# EAGLE board makey_makey_panel_v13 (EAGLE 6.5.0), part 3 of 4 (continued)
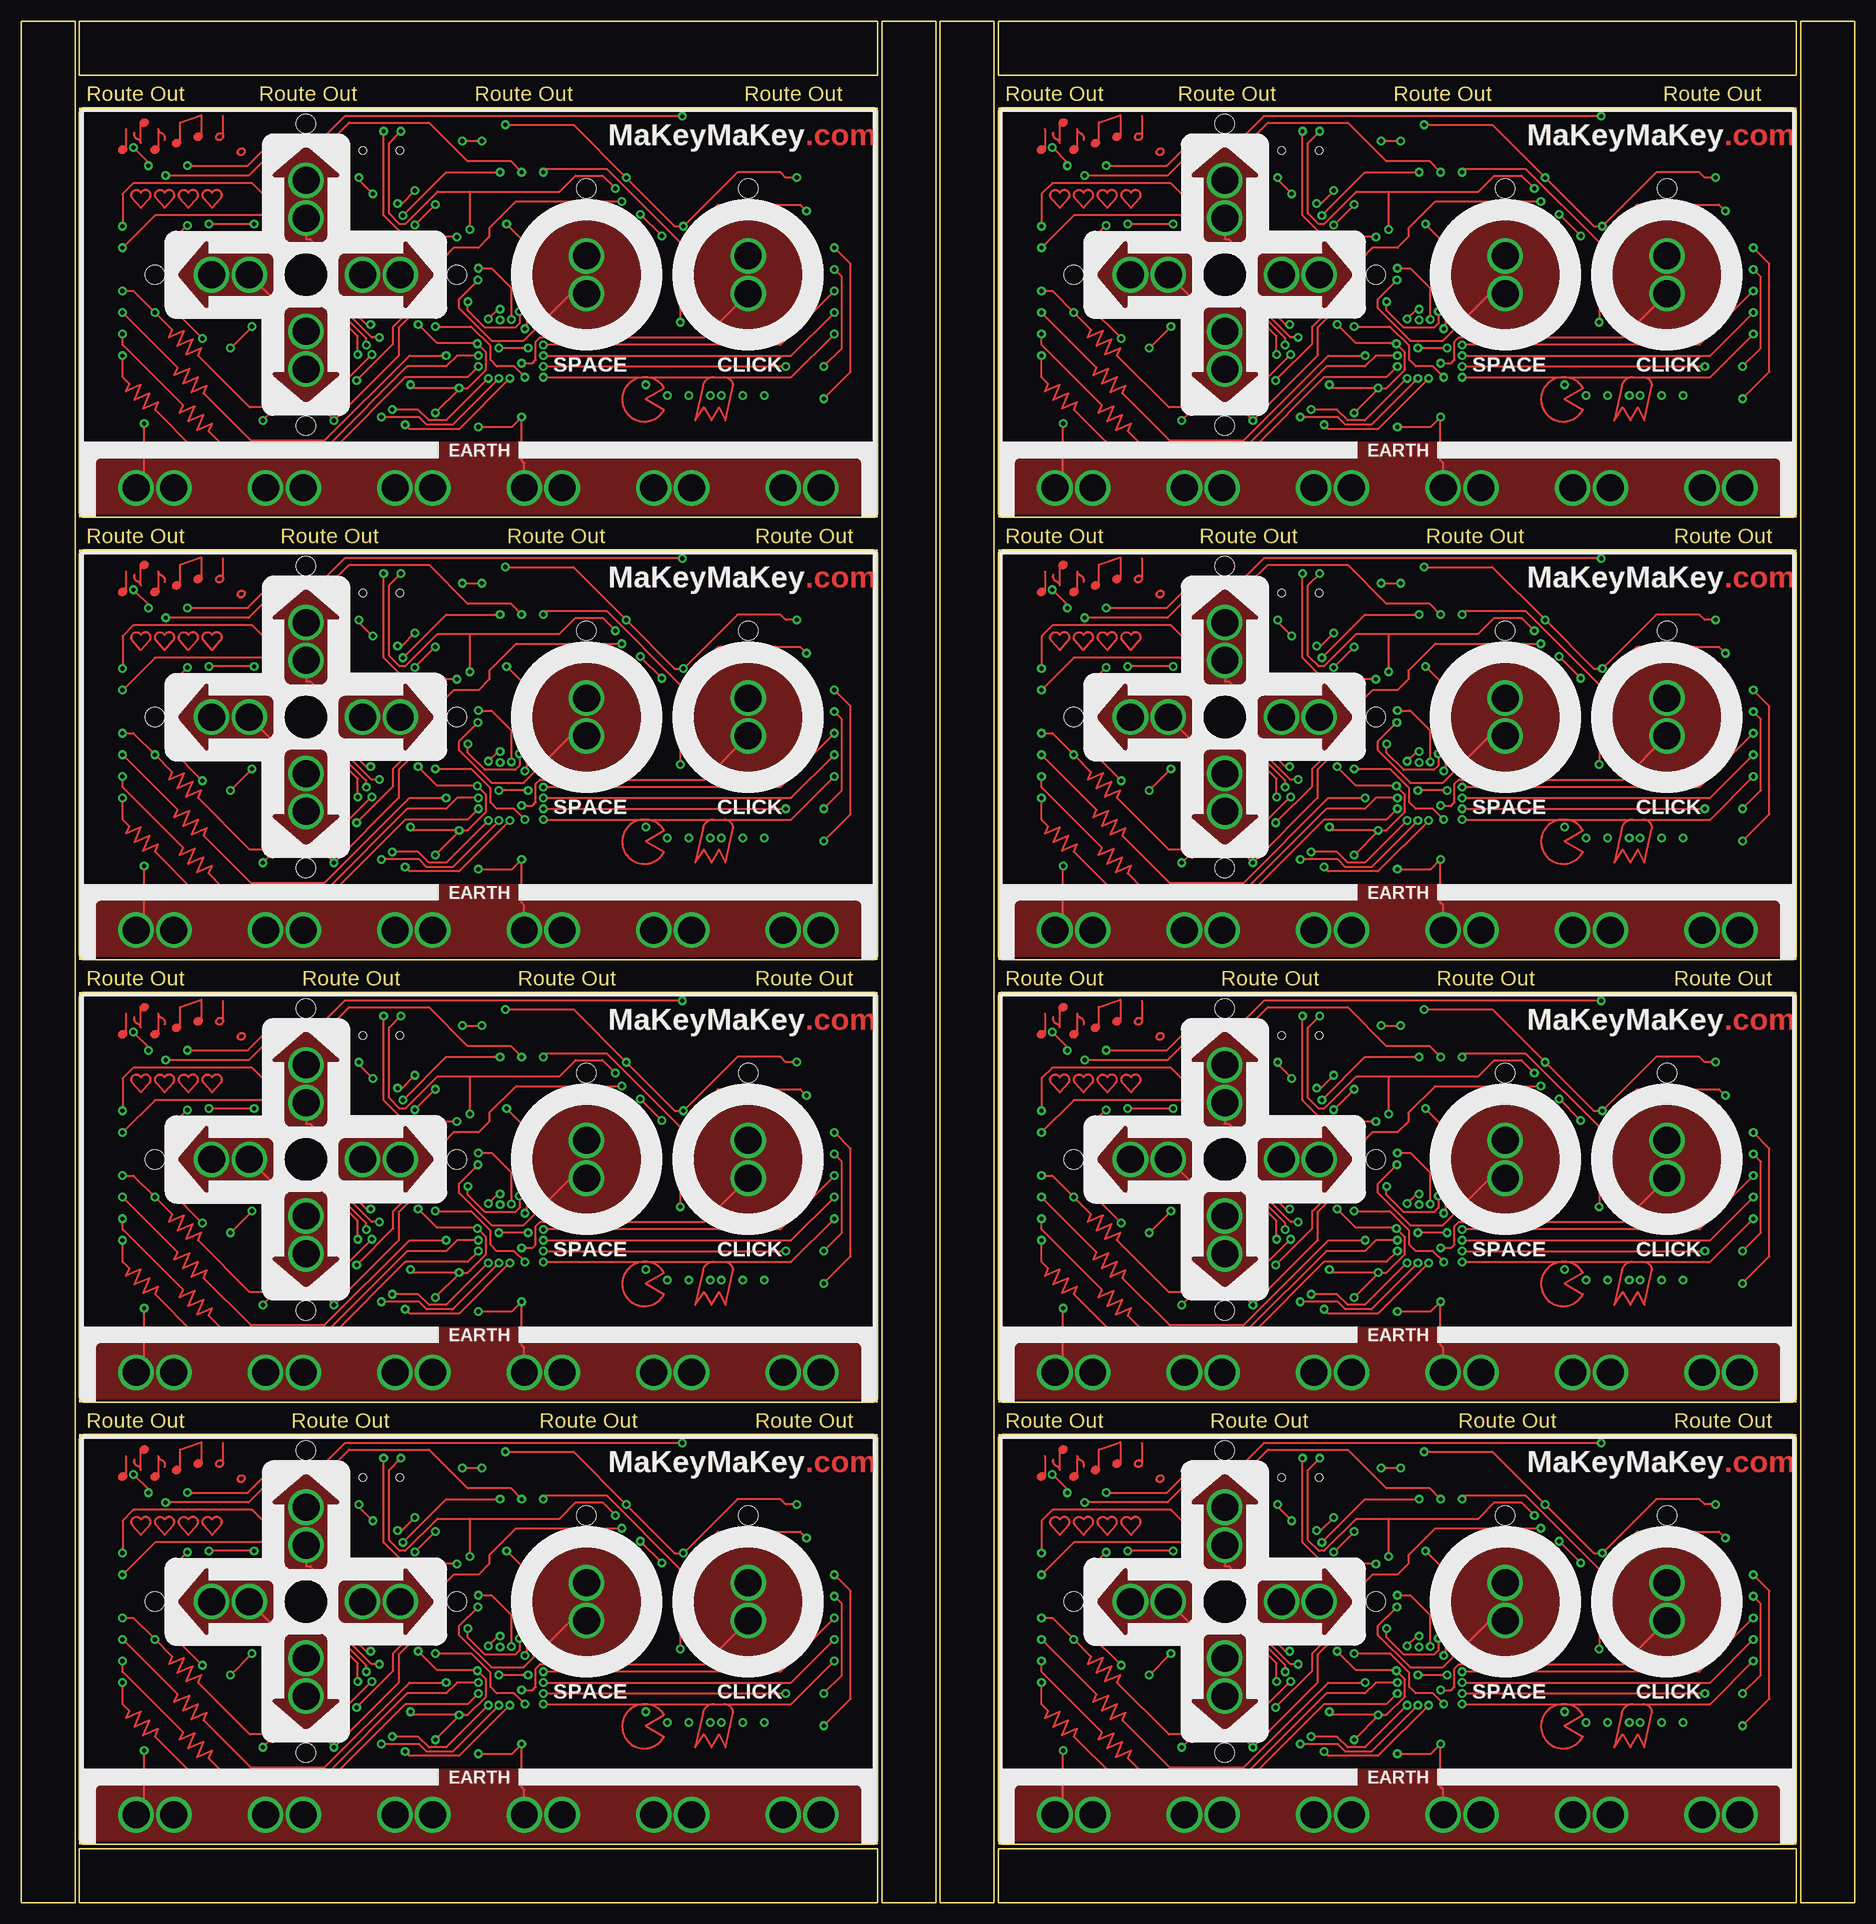
[diagram p0: board, top side]
## Tracks (layer width: path | path; a pad name or v marks a point on that pad's centre or on a via) (continued)
N$27
  Bottom 0.254: X2.D- 41.62,98.34 42.8,97.16 44.45,97.16 47.75,93.85 53.85,93.85 55.12,92.58 R32.2
N$28
  Bottom 0.254: X2.D+ 42.42,98.3 43.05,97.66 44.7,97.66 48.01,94.36 54.86,94.36 56.39,92.84 R31.2
N$29
  pour Top: 52.1,14.85 52.1,14.91 52.41,15.23 52.73,14.91 52.73,14.85
N$30
  pour Top: 53.5,14.77 53.5,15.27 53.99,15.27 54.14,15.12 54.14,14.78 53.99,14.63 53.5,14.63 53.5,14.77 53.5,14.77
N$31  (via drill 0.51)
  Top 0.254: v39.5,75.06 43.81,79.38 43.81,81.41 49.15,86.74 49.15,91.95 | v51.31,91.95 49.15,91.95 | v42.67,104.39 42.67,94.49 45.21,91.95 49.15,91.95
  Bottom 0.254: 31.73,71.88 36.7,71.88 36.96,71.63 R53.2 38.39,73.95 v39.5,75.06 | LED17.A 16.87,89.3 31.73,74.44 31.73,71.88 | v51.31,91.95 LED15.C | v42.67,104.39 41.78,103.5 35.94,103.5 35.33,104.12 LED16.A | LED18.C 31.73,71.88
N$32
  Top 0.254: 13.08,44.45 arc-190 14.1,45.09 arc-190 15.11,44.45 14.1,43.31 13.08,44.45
N$33
  Top 0.254: 15.88,44.45 arc-190 16.89,45.09 arc-190 17.91,44.45 16.89,43.31 15.88,44.45
N$34
  Top 0.254: 18.67,44.45 arc-190 19.68,45.09 arc-190 20.7,44.45 19.68,43.31 18.67,44.45
N$35
  Top 0.254: 21.46,44.45 arc-190 22.48,45.09 arc-190 23.5,44.45 22.48,43.31 21.46,44.45
N$36  (via drill 0.51)
  Top 0.254: v28.45,70.36 29.34,71.25 35.94,71.25 v36.83,70.36 44.45,77.98 44.45,81.28 49.66,86.49 49.66,89.41 50.93,90.68 53.85,90.68 55.12,91.95 55.12,92.96 58.29,96.14 v70.74,96.14
  Bottom 0.254: LED17.C 19.58,85.7 28.45,76.83 v28.45,70.36 | LED18.A 36.2,69.72 v36.83,70.36 R52.2 | LED13.A 87.4,96.67 86.87,96.14 v70.74,96.14 65.28,96.14 64.75,96.67 LED14.C
N$37
  Top 0.254: 14.1,53.09 14.1,50.93 arc70 13.59,51.44 arc-70 13.34,52.2 | 14.1,53.09 14.1,53.21 | 14.35,53.21 arc-160 14.61,53.47 | 14.61,53.47 arc-160 14.35,53.21 | 14.61,53.47 arc160 14.48,53.34 arc160 14.61,53.47 | 14.1,53.09 arc-160 14.86,53.59 arc-160 14.1,53.09 | 14.22,53.09 arc-160 14.73,53.59 arc-160 14.22,53.09 | 14.1,53.34 14.1,53.21 | 14.1,53.21 14.22,53.09 | 14.22,53.09 14.1,53.09 | 14.22,53.09 14.35,53.21
N$38  (via drill 0.51)
  Top 0.254: 52.83,97.28 49.02,97.28 45.21,93.47 44.58,93.47 43.31,94.74 43.31,103 v44.7,104.39 | 52.83,97.28 63.37,97.28 65.28,99.19 68.45,99.19 v69.98,97.66 | v52.83,92.84 52.83,97.28
  Bottom 0.254: v52.83,92.84 52.83,91.57 | 52.83,91.57 52.83,86.36 52.17,85.7 LED15.A | v44.7,104.39 43.31,103 32.64,103 31.73,103.91 LED16.C | LED14.A v69.98,97.66 LED13.C | R54.2 52.87,91.53 52.83,91.57
N$39
  Bottom 0.254: X2.VBUS 40.82,97.97 40.26,97.41 37.72,97.41 37.34,97.03 F2.1
N$40
  Bottom 0.254: LED12.C 41.16,95.6 R39.2
N$41
  Bottom 0.254: LED22.A R57.1
  pour Top: 52.1,66.92 52.1,66.98 52.41,67.3 52.73,66.98 52.73,66.92
N$42
  Top 0.254: 12.32,52.58 12.32,50.42 | 12.32,50.42 12.32,50.16 11.94,50.16 | 12.32,50.42 arc-160 11.56,49.91 arc-160 12.32,50.42 | 11.81,50.04 arc160 12.06,50.29 arc160 11.81,50.04 | 11.94,50.16 arc-160 11.81,50.04 | 11.81,50.04 arc-160 11.94,50.16 | 12.19,50.42 arc-160 11.68,49.91 arc-160 12.19,50.42 | 12.32,50.42 12.19,50.42 | 12.19,50.42 11.94,50.16
N$43
  Top 0.254: 18.67,51.18 18.67,53.34 21.21,54.23 21.21,51.94 | 18.67,51.18 18.67,50.93 18.54,50.93 18.41,51.05 | 21.21,51.94 21.21,51.69 20.83,51.69 | 18.54,51.18 arc-160 18.03,50.67 | 18.03,50.67 arc-160 18.54,51.18 | 18.16,50.8 arc160 18.29,50.93 arc160 18.16,50.8 | 18.41,51.05 arc-160 18.16,50.8 | 18.16,50.8 arc-160 18.41,51.05 | 21.08,51.94 arc-160 20.57,51.44 arc-160 21.08,51.94 | 20.7,51.56 arc160 20.95,51.82 arc160 20.7,51.56 | 20.83,51.69 arc-160 20.7,51.56 | 20.7,51.56 arc-160 20.83,51.69 | 18.67,51.18 arc-160 17.91,50.67 arc-160 18.67,51.18 | 21.21,51.94 arc-160 20.45,51.44 arc-160 21.21,51.94 | 18.03,50.67 18.41,51.05 | 18.67,51.18 18.54,51.18 | 18.54,51.18 18.41,51.05 | 20.83,51.69 20.7,51.56 | 21.21,51.94 21.08,51.94 | 21.08,51.94 20.83,51.69
N$44
  Bottom 0.254: R58.1 LED21.A
  pour Top: 53.5,66.84 53.5,67.34 53.99,67.34 54.14,67.19 54.14,66.85 53.99,66.7 53.5,66.7 53.5,66.84 53.5,66.84
N$45  (via drill 0.51)
  other vias: 73.53,74.55
N$46  (via drill 0.51)
  other vias: 76.07,73.28
N$47  (via drill 0.51)
  other vias: 78.61,73.28
N$48  (via drill 0.51)
  other vias: 81.15,73.28
N$49  (via drill 0.51)
  other vias: 82.42,73.28
N$50  (via drill 0.51)
  other vias: 84.96,73.28
N$51  (via drill 0.51)
  other vias: 87.5,73.28
N$52
  Top 0.254: 26.29,102.23 arc-160 25.53,101.73 arc-160 26.29,102.23
N$53
  Top 0.254: 14.1,105.16 14.1,103 arc70 13.59,103.5 arc-70 13.34,104.27 | 14.1,105.16 14.1,105.28 | 14.35,105.28 arc-160 14.61,105.54 | 14.61,105.54 arc-160 14.35,105.28 | 14.61,105.54 arc160 14.48,105.41 arc160 14.61,105.54 | 14.1,105.16 arc-160 14.86,105.66 arc-160 14.1,105.16 | 14.22,105.16 arc-160 14.73,105.66 arc-160 14.22,105.16 | 14.1,105.41 14.1,105.28 | 14.1,105.28 14.22,105.16 | 14.22,105.16 14.1,105.16 | 14.22,105.16 14.35,105.28
N$54
  Top 0.254: 16.13,50.42 16.13,52.58 arc70 16.64,52.07 arc-70 16.89,51.31 | 16.13,50.42 16.13,50.16 15.75,50.16 | 16,50.42 arc-160 15.49,49.91 arc-160 16,50.42 | 15.62,50.04 arc160 15.88,50.29 arc160 15.62,50.04 | 15.75,50.16 arc-160 15.62,50.04 | 15.62,50.04 arc-160 15.75,50.16 | 16.13,50.42 arc-160 15.37,49.91 arc-160 16.13,50.42 | 16.13,50.42 16,50.42 | 16,50.42 15.75,50.16
N$55
  Top 0.254: 18.67,103.25 18.67,105.41 21.21,106.3 21.21,104.01 | 18.67,103.25 18.67,103 18.54,103 18.41,103.12 | 21.21,104.01 21.21,103.76 20.83,103.76 | 18.54,103.25 arc-160 18.03,102.74 | 18.03,102.74 arc-160 18.54,103.25 | 18.16,102.87 arc160 18.29,103 arc160 18.16,102.87 | 18.41,103.12 arc-160 18.16,102.87 | 18.16,102.87 arc-160 18.41,103.12 | 21.08,104.01 arc-160 20.57,103.5 arc-160 21.08,104.01 | 20.7,103.63 arc160 20.95,103.89 arc160 20.7,103.63 | 20.83,103.76 arc-160 20.7,103.63 | 20.7,103.63 arc-160 20.83,103.76 | 18.67,103.25 arc-160 17.91,102.74 arc-160 18.67,103.25 | 21.21,104.01 arc-160 20.45,103.5 arc-160 21.21,104.01 | 18.03,102.74 18.41,103.12 | 18.67,103.25 18.54,103.25 | 18.54,103.25 18.41,103.12 | 20.83,103.76 20.7,103.63 | 21.21,104.01 21.08,104.01 | 21.08,104.01 20.83,103.76
N$56
  Top 0.254: 16.13,102.49 16.13,104.65 arc70 16.64,104.14 arc-70 16.89,103.38 | 16.13,102.49 16.13,102.23 15.75,102.23 | 16,102.49 arc-160 15.49,101.98 arc-160 16,102.49 | 15.62,102.11 arc160 15.88,102.36 arc160 15.62,102.11 | 15.75,102.23 arc-160 15.62,102.11 | 15.62,102.11 arc-160 15.75,102.23 | 16.13,102.49 arc-160 15.37,101.98 arc-160 16.13,102.49 | 16.13,102.49 16,102.49 | 16,102.49 15.75,102.23
N$57
  Top 0.254: 12.32,104.65 12.32,102.49 | 12.32,102.49 12.32,102.23 11.94,102.23 | 12.32,102.49 arc-160 11.56,101.98 arc-160 12.32,102.49 | 11.81,102.11 arc160 12.06,102.36 arc160 11.81,102.11 | 11.94,102.23 arc-160 11.81,102.11 | 11.81,102.11 arc-160 11.94,102.23 | 12.19,102.49 arc-160 11.68,101.98 arc-160 12.19,102.49 | 12.32,102.49 12.19,102.49 | 12.19,102.49 11.94,102.23
N$58
  Bottom 0.254: LED20.A 94.88,96.51 94.49,96.9 R55.1
N$59
  Bottom 0.254: R56.1 12.36,97.45 11.42,96.51 LED19.A
N$60
  Top 0.254: 23.75,106.17 23.75,104.01 | 23.75,104.01 arc-160 22.99,103.5 arc-160 23.75,104.01
N$61
  pour Top: 52.1,66.92 52.1,66.98 52.41,67.3 52.73,66.98 52.73,66.92
N$62
  pour Top: 53.5,66.84 53.5,67.34 53.99,67.34 54.14,67.19 54.14,66.85 53.99,66.7 53.5,66.7 53.5,66.84 53.5,66.84
N$63
  Top 0.254: 13.08,96.52 arc-190 14.1,97.16 arc-190 15.11,96.52 14.1,95.38 13.08,96.52
N$64
  Top 0.254: 15.88,96.52 arc-190 16.89,97.16 arc-190 17.91,96.52 16.89,95.38 15.88,96.52
N$65
  Top 0.254: 18.67,96.52 arc-190 19.68,97.16 arc-190 20.7,96.52 19.68,95.38 18.67,96.52
N$66
  Top 0.254: 21.46,96.52 arc-190 22.48,97.16 arc-190 23.5,96.52 22.48,95.38 21.46,96.52
N$67
  Bottom 0.254: U3.16 65.75,132.12 66.29,131.57 68.96,131.57 | 68.96,131.57 69.85,131.57 70.36,132.08 C19.1 | Y3.1 69.01,133.21 69.01,131.62 68.96,131.57
N$68
  Bottom 0.254: U3.17 65.79,131.32 66.67,130.44 Y3.3 66.67,128.28 67.02,127.93 C18.1
N$69
  Bottom 0.254: U3.6 C20.2
N$70
  Bottom 0.254: X3.D- 41.62,150.41 42.8,149.22 44.45,149.22 47.75,145.92 53.85,145.92 55.12,144.65 R61.2
N$71
  Bottom 0.254: X3.D+ 42.42,150.37 43.05,149.73 44.7,149.73 48.01,146.43 54.86,146.43 56.39,144.91 R60.2
N$72  (via drill 0.51)
  Top 0.254: v39.5,127.13 43.81,131.44 43.81,133.48 49.15,138.81 49.15,144.02 | v51.31,144.02 49.15,144.02 | v42.67,156.46 42.67,146.56 45.21,144.02 49.15,144.02
  Bottom 0.254: 31.73,123.95 36.7,123.95 36.96,123.7 R82.2 38.39,126.02 v39.5,127.13 | LED28.A 16.87,141.37 31.73,126.51 31.73,123.95 | v51.31,144.02 LED26.C | v42.67,156.46 41.78,155.57 35.94,155.57 35.33,156.19 LED27.A | LED29.C 31.73,123.95
N$73  (via drill 0.51)
  Top 0.254: v28.45,122.43 29.34,123.32 35.94,123.32 v36.83,122.43 44.45,130.05 44.45,133.35 49.66,138.56 49.66,141.48 50.93,142.75 53.85,142.75 55.12,144.02 55.12,145.03 58.29,148.21 v70.74,148.21
  Bottom 0.254: LED28.C 19.58,137.77 28.45,128.91 v28.45,122.43 | LED29.A 36.2,121.79 v36.83,122.43 R81.2 | LED24.A 87.4,148.74 86.87,148.21 v70.74,148.21 65.28,148.21 64.75,148.74 LED25.C
N$74  (via drill 0.51)
  Top 0.254: 52.83,149.35 49.02,149.35 45.21,145.54 44.58,145.54 43.31,146.81 43.31,155.07 v44.7,156.46 | 52.83,149.35 63.37,149.35 65.28,151.26 68.45,151.26 v69.98,149.73 | v52.83,144.91 52.83,149.35
  Bottom 0.254: v52.83,144.91 52.83,143.64 | 52.83,143.64 52.83,138.43 52.17,137.77 LED26.A | v44.7,156.46 43.31,155.07 32.64,155.07 31.73,155.98 LED27.C | LED25.A v69.98,149.73 LED24.C | R83.2 52.87,143.6 52.83,143.64
N$75
  Bottom 0.254: X3.VBUS 40.82,150.04 40.26,149.48 37.72,149.48 37.34,149.1 F3.1
N$76
  Bottom 0.254: LED23.C 41.16,147.67 R68.2
N$77
  Bottom 0.254: LED33.A R86.1
  pour Top: 52.1,118.99 52.1,119.05 52.41,119.37 52.73,119.05 52.73,118.99
N$78
  Bottom 0.254: R87.1 LED32.A
  pour Top: 53.5,118.91 53.5,119.41 53.99,119.41 54.14,119.26 54.14,118.92 53.99,118.77 53.5,118.77 53.5,118.91 53.5,118.91
N$79  (via drill 0.51)
  other vias: 73.53,126.62
N$80  (via drill 0.51)
  other vias: 76.07,125.35
N$81  (via drill 0.51)
  other vias: 78.61,125.35
N$82  (via drill 0.51)
  other vias: 81.15,125.35
N$83  (via drill 0.51)
  other vias: 82.42,125.35
N$84  (via drill 0.51)
  other vias: 84.96,125.35
N$85  (via drill 0.51)
  other vias: 87.5,125.35
N$86
  Top 0.254: 26.29,154.31 arc-160 25.53,153.8 arc-160 26.29,154.31
N$87
  Top 0.254: 14.1,157.23 14.1,155.07 arc70 13.59,155.57 arc-70 13.34,156.34 | 14.1,157.23 14.1,157.35 | 14.35,157.35 arc-160 14.61,157.61 | 14.61,157.61 arc-160 14.35,157.35 | 14.61,157.61 arc160 14.48,157.48 arc160 14.61,157.61 | 14.1,157.23 arc-160 14.86,157.73 arc-160 14.1,157.23 | 14.22,157.23 arc-160 14.73,157.73 arc-160 14.22,157.23 | 14.1,157.48 14.1,157.35 | 14.1,157.35 14.22,157.23 | 14.22,157.23 14.1,157.23 | 14.22,157.23 14.35,157.35
N$88
  Top 0.254: 18.67,155.32 18.67,157.48 21.21,158.37 21.21,156.08 | 18.67,155.32 18.67,155.07 18.54,155.07 18.41,155.19 | 21.21,156.08 21.21,155.83 20.83,155.83 | 18.54,155.32 arc-160 18.03,154.81 | 18.03,154.81 arc-160 18.54,155.32 | 18.16,154.94 arc160 18.29,155.07 arc160 18.16,154.94 | 18.41,155.19 arc-160 18.16,154.94 | 18.16,154.94 arc-160 18.41,155.19 | 21.08,156.08 arc-160 20.57,155.57 arc-160 21.08,156.08 | 20.7,155.7 arc160 20.95,155.96 arc160 20.7,155.7 | 20.83,155.83 arc-160 20.7,155.7 | 20.7,155.7 arc-160 20.83,155.83 | 18.67,155.32 arc-160 17.91,154.81 arc-160 18.67,155.32 | 21.21,156.08 arc-160 20.45,155.57 arc-160 21.21,156.08 | 18.03,154.81 18.41,155.19 | 18.67,155.32 18.54,155.32 | 18.54,155.32 18.41,155.19 | 20.83,155.83 20.7,155.7 | 21.21,156.08 21.08,156.08 | 21.08,156.08 20.83,155.83
N$89
  Top 0.254: 16.13,154.56 16.13,156.72 arc70 16.64,156.21 arc-70 16.89,155.45 | 16.13,154.56 16.13,154.31 15.75,154.31 | 16,154.56 arc-160 15.49,154.05 arc-160 16,154.56 | 15.62,154.18 arc160 15.88,154.43 arc160 15.62,154.18 | 15.75,154.31 arc-160 15.62,154.18 | 15.62,154.18 arc-160 15.75,154.31 | 16.13,154.56 arc-160 15.37,154.05 arc-160 16.13,154.56 | 16.13,154.56 16,154.56 | 16,154.56 15.75,154.31
N$90
  Top 0.254: 12.32,156.72 12.32,154.56 | 12.32,154.56 12.32,154.31 11.94,154.31 | 12.32,154.56 arc-160 11.56,154.05 arc-160 12.32,154.56 | 11.81,154.18 arc160 12.06,154.43 arc160 11.81,154.18 | 11.94,154.31 arc-160 11.81,154.18 | 11.81,154.18 arc-160 11.94,154.31 | 12.19,154.56 arc-160 11.68,154.05 arc-160 12.19,154.56 | 12.32,154.56 12.19,154.56 | 12.19,154.56 11.94,154.31
N$91
  Bottom 0.254: LED31.A 94.88,148.58 94.49,148.97 R84.1
N$92
  Bottom 0.254: R85.1 12.36,149.52 11.42,148.58 LED30.A
N$93
  Top 0.254: 23.75,158.24 23.75,156.08 | 23.75,156.08 arc-160 22.99,155.57 arc-160 23.75,156.08
N$94
  pour Top: 52.1,118.99 52.1,119.05 52.41,119.37 52.73,119.05 52.73,118.99
N$95
  pour Top: 53.5,118.91 53.5,119.41 53.99,119.41 54.14,119.26 54.14,118.92 53.99,118.77 53.5,118.77 53.5,118.91 53.5,118.91
N$96
  Top 0.254: 13.08,148.59 arc-190 14.1,149.22 arc-190 15.11,148.59 14.1,147.45 13.08,148.59
N$97
  Top 0.254: 15.88,148.59 arc-190 16.89,149.22 arc-190 17.91,148.59 16.89,147.45 15.88,148.59
N$98
  Top 0.254: 18.67,148.59 arc-190 19.68,149.22 arc-190 20.7,148.59 19.68,147.45 18.67,148.59
N$99
  Top 0.254: 21.46,148.59 arc-190 22.48,149.22 arc-190 23.5,148.59 22.48,147.45 21.46,148.59
N$100
  Bottom 0.254: U4.16 65.75,184.19 66.29,183.64 68.96,183.64 | 68.96,183.64 69.85,183.64 70.36,184.15 C27.1 | Y4.1 69.01,185.28 69.01,183.69 68.96,183.64
N$101
  Bottom 0.254: U4.17 65.79,183.39 66.67,182.51 Y4.3 66.67,180.35 67.02,180 C26.1
N$102
  Bottom 0.254: U4.6 C28.2
N$103
  Bottom 0.254: X4.D- 41.62,202.48 42.8,201.29 44.45,201.29 47.75,197.99 53.85,197.99 55.12,196.72 R90.2
N$104
  Bottom 0.254: X4.D+ 42.42,202.44 43.05,201.8 44.7,201.8 48.01,198.5 54.86,198.5 56.39,196.98 R89.2
N$105  (via drill 0.51)
  Top 0.254: v39.5,179.2 43.81,183.51 43.81,185.55 49.15,190.88 49.15,196.09 | v51.31,196.09 49.15,196.09 | v42.67,208.53 42.67,198.63 45.21,196.09 49.15,196.09
  Bottom 0.254: 31.73,176.02 36.7,176.02 36.96,175.77 R111.2 38.39,178.09 v39.5,179.2 | LED39.A 16.87,193.44 31.73,178.58 31.73,176.02 | v51.31,196.09 LED37.C | v42.67,208.53 41.78,207.65 35.94,207.65 35.33,208.26 LED38.A | LED40.C 31.73,176.02
N$106  (via drill 0.51)
  Top 0.254: v28.45,174.5 29.34,175.39 35.94,175.39 v36.83,174.5 44.45,182.12 44.45,185.42 49.66,190.63 49.66,193.55 50.93,194.82 53.85,194.82 55.12,196.09 55.12,197.1 58.29,200.28 v70.74,200.28
  Bottom 0.254: LED39.C 19.58,189.84 28.45,180.97 v28.45,174.5 | LED40.A 36.2,173.86 v36.83,174.5 R110.2 | LED35.A 87.4,200.81 86.87,200.28 v70.74,200.28 65.28,200.28 64.75,200.81 LED36.C
N$107  (via drill 0.51)
  Top 0.254: 52.83,201.42 49.02,201.42 45.21,197.61 44.58,197.61 43.31,198.88 43.31,207.14 v44.7,208.53 | 52.83,201.42 63.37,201.42 65.28,203.33 68.45,203.33 v69.98,201.8 | v52.83,196.98 52.83,201.42
  Bottom 0.254: v52.83,196.98 52.83,195.71 | 52.83,195.71 52.83,190.5 52.17,189.84 LED37.A | v44.7,208.53 43.31,207.14 32.64,207.14 31.73,208.05 LED38.C | LED36.A v69.98,201.8 LED35.C | R112.2 52.87,195.67 52.83,195.71
N$108
  Bottom 0.254: X4.VBUS 40.82,202.11 40.26,201.55 37.72,201.55 37.34,201.17 F4.1
N$109
  Bottom 0.254: LED34.C 41.16,199.74 R97.2
N$110
  Bottom 0.254: LED44.A R115.1
  pour Top: 52.1,171.06 52.1,171.12 52.41,171.44 52.73,171.12 52.73,171.06
N$111
  Bottom 0.254: R116.1 LED43.A
  pour Top: 53.5,170.98 53.5,171.48 53.99,171.48 54.14,171.33 54.14,170.99 53.99,170.84 53.5,170.84 53.5,170.98 53.5,170.98
N$112  (via drill 0.51)
  other vias: 73.53,178.69
N$113  (via drill 0.51)
  other vias: 76.07,177.42
N$114  (via drill 0.51)
  other vias: 78.61,177.42
N$115  (via drill 0.51)
  other vias: 81.15,177.42
N$116  (via drill 0.51)
  other vias: 82.42,177.42
N$117  (via drill 0.51)
  other vias: 84.96,177.42
N$118  (via drill 0.51)
  other vias: 87.5,177.42
N$119
  Top 0.254: 26.29,206.38 arc-160 25.53,205.87 arc-160 26.29,206.38
N$120
  Top 0.254: 14.1,209.3 14.1,207.14 arc70 13.59,207.65 arc-70 13.34,208.41 | 14.1,209.3 14.1,209.42 | 14.35,209.42 arc-160 14.61,209.68 | 14.61,209.68 arc-160 14.35,209.42 | 14.61,209.68 arc160 14.48,209.55 arc160 14.61,209.68 | 14.1,209.3 arc-160 14.86,209.8 arc-160 14.1,209.3 | 14.22,209.3 arc-160 14.73,209.8 arc-160 14.22,209.3 | 14.1,209.55 14.1,209.42 | 14.1,209.42 14.22,209.3 | 14.22,209.3 14.1,209.3 | 14.22,209.3 14.35,209.42
N$121
  Top 0.254: 18.67,207.39 18.67,209.55 21.21,210.44 21.21,208.15 | 18.67,207.39 18.67,207.14 18.54,207.14 18.41,207.26 | 21.21,208.15 21.21,207.9 20.83,207.9 | 18.54,207.39 arc-160 18.03,206.88 | 18.03,206.88 arc-160 18.54,207.39 | 18.16,207.01 arc160 18.29,207.14 arc160 18.16,207.01 | 18.41,207.26 arc-160 18.16,207.01 | 18.16,207.01 arc-160 18.41,207.26 | 21.08,208.15 arc-160 20.57,207.65 arc-160 21.08,208.15 | 20.7,207.77 arc160 20.95,208.03 arc160 20.7,207.77 | 20.83,207.9 arc-160 20.7,207.77 | 20.7,207.77 arc-160 20.83,207.9 | 18.67,207.39 arc-160 17.91,206.88 arc-160 18.67,207.39 | 21.21,208.15 arc-160 20.45,207.65 arc-160 21.21,208.15 | 18.03,206.88 18.41,207.26 | 18.67,207.39 18.54,207.39 | 18.54,207.39 18.41,207.26 | 20.83,207.9 20.7,207.77 | 21.21,208.15 21.08,208.15 | 21.08,208.15 20.83,207.9
N$122
  Top 0.254: 16.13,206.63 16.13,208.79 arc70 16.64,208.28 arc-70 16.89,207.52 | 16.13,206.63 16.13,206.38 15.75,206.38 | 16,206.63 arc-160 15.49,206.12 arc-160 16,206.63 | 15.62,206.25 arc160 15.88,206.5 arc160 15.62,206.25 | 15.75,206.38 arc-160 15.62,206.25 | 15.62,206.25 arc-160 15.75,206.38 | 16.13,206.63 arc-160 15.37,206.12 arc-160 16.13,206.63 | 16.13,206.63 16,206.63 | 16,206.63 15.75,206.38
N$123
  Top 0.254: 12.32,208.79 12.32,206.63 | 12.32,206.63 12.32,206.38 11.94,206.38 | 12.32,206.63 arc-160 11.56,206.12 arc-160 12.32,206.63 | 11.81,206.25 arc160 12.06,206.5 arc160 11.81,206.25 | 11.94,206.38 arc-160 11.81,206.25 | 11.81,206.25 arc-160 11.94,206.38 | 12.19,206.63 arc-160 11.68,206.12 arc-160 12.19,206.63 | 12.32,206.63 12.19,206.63 | 12.19,206.63 11.94,206.38
N$124
  Bottom 0.254: LED42.A 94.88,200.65 94.49,201.04 R113.1
N$125
  Bottom 0.254: R114.1 12.36,201.59 11.42,200.65 LED41.A
N$126
  Top 0.254: 23.75,210.31 23.75,208.15 | 23.75,208.15 arc-160 22.99,207.65 arc-160 23.75,208.15
N$127
  pour Top: 52.1,171.06 52.1,171.12 52.41,171.44 52.73,171.12 52.73,171.06
N$128
  pour Top: 53.5,170.98 53.5,171.48 53.99,171.48 54.14,171.33 54.14,170.99 53.99,170.84 53.5,170.84 53.5,170.98 53.5,170.98
N$129
  Top 0.254: 13.08,200.66 arc-190 14.1,201.29 arc-190 15.11,200.66 14.1,199.52 13.08,200.66
N$130
  Top 0.254: 15.88,200.66 arc-190 16.89,201.29 arc-190 17.91,200.66 16.89,199.52 15.88,200.66
N$131
  Top 0.254: 18.67,200.66 arc-190 19.68,201.29 arc-190 20.7,200.66 19.68,199.52 18.67,200.66
N$132
  Top 0.254: 21.46,200.66 arc-190 22.48,201.29 arc-190 23.5,200.66 22.48,199.52 21.46,200.66
N$133
  Bottom 0.254: U5.16 173.95,27.98 174.5,27.43 177.16,27.43 | 177.16,27.43 178.05,27.43 178.56,27.94 C35.1 | Y5.1 177.21,29.07 177.21,27.48 177.16,27.43
N$134
  Bottom 0.254: U5.17 173.99,27.18 174.87,26.3 Y5.3 174.87,24.14 175.22,23.79 C34.1
N$135
  Bottom 0.254: U5.6 C36.2
N$136
  Bottom 0.254: X5.D- 149.82,46.27 151,45.09 152.65,45.09 155.96,41.78 162.05,41.78 163.32,40.51 R119.2
N$137
  Bottom 0.254: X5.D+ 150.62,46.23 151.26,45.59 152.91,45.59 156.21,42.29 163.07,42.29 164.59,40.77 R118.2
N$138  (via drill 0.51)
  Top 0.254: v147.7,22.99 152.02,27.3 152.02,29.34 157.35,34.67 157.35,39.88 | v159.51,39.88 157.35,39.88 | v150.88,52.32 150.88,42.42 153.42,39.88 157.35,39.88
  Bottom 0.254: 139.93,19.81 144.91,19.81 145.16,19.56 R140.2 146.6,21.88 v147.7,22.99 | LED50.A 125.07,37.23 139.93,22.37 139.93,19.81 | v159.51,39.88 LED48.C | v150.88,52.32 149.99,51.44 144.15,51.44 143.53,52.05 LED49.A | LED51.C 139.93,19.81
N$139  (via drill 0.51)
  Top 0.254: v136.65,18.29 137.54,19.18 144.15,19.18 v145.03,18.29 152.65,25.91 152.65,29.21 157.86,34.42 157.86,37.34 159.13,38.61 162.05,38.61 163.32,39.88 163.32,40.89 166.5,44.07 v178.94,44.07
  Bottom 0.254: LED50.C 127.78,33.63 136.65,24.77 v136.65,18.29 | LED51.A 144.4,17.65 v145.03,18.29 R139.2 | LED46.A 195.6,44.6 195.07,44.07 v178.94,44.07 173.48,44.07 172.95,44.6 LED47.C
N$140  (via drill 0.51)
  Top 0.254: 161.04,45.21 157.23,45.21 153.42,41.4 152.78,41.4 151.51,42.67 151.51,50.93 v152.91,52.32 | 161.04,45.21 171.58,45.21 173.48,47.12 176.66,47.12 v178.18,45.59 | v161.04,40.77 161.04,45.21
  Bottom 0.254: v161.04,40.77 161.04,39.5 | 161.04,39.5 161.04,34.29 160.38,33.63 LED48.A | v152.91,52.32 151.51,50.93 140.84,50.93 139.93,51.84 LED49.C | LED47.A v178.18,45.59 LED46.C | R141.2 161.07,39.46 161.04,39.5
N$141
  Bottom 0.254: X5.VBUS 149.02,45.9 148.46,45.34 145.92,45.34 145.54,44.96 F5.1
N$142
  Bottom 0.254: LED45.C 149.36,43.53 R126.2
N$143
  Bottom 0.254: LED55.A R144.1
  pour Top: 160.3,14.85 160.3,14.91 160.62,15.23 160.93,14.91 160.93,14.85
N$144
  Bottom 0.254: R145.1 LED54.A
  pour Top: 161.71,14.77 161.71,15.27 162.19,15.27 162.34,15.12 162.34,14.78 162.19,14.63 161.71,14.63 161.71,14.77 161.7,14.77
N$145  (via drill 0.51)
  other vias: 181.74,22.48
N$146  (via drill 0.51)
  other vias: 184.28,21.21
N$147  (via drill 0.51)
  other vias: 186.82,21.21
N$148  (via drill 0.51)
  other vias: 189.36,21.21
N$149  (via drill 0.51)
  other vias: 190.63,21.21
N$150  (via drill 0.51)
  other vias: 193.17,21.21
N$151  (via drill 0.51)
  other vias: 195.71,21.21
N$152
  Top 0.254: 134.49,50.16 arc-160 133.73,49.66 arc-160 134.49,50.16
N$153
  Top 0.254: 122.3,53.09 122.3,50.93 arc70 121.79,51.44 arc-70 121.54,52.2 | 122.3,53.09 122.3,53.21 | 122.56,53.21 arc-160 122.81,53.47 | 122.81,53.47 arc-160 122.56,53.21 | 122.81,53.47 arc160 122.68,53.34 arc160 122.81,53.47 | 122.3,53.09 arc-160 123.06,53.59 arc-160 122.3,53.09 | 122.43,53.09 arc-160 122.94,53.59 arc-160 122.43,53.09 | 122.3,53.34 122.3,53.21 | 122.3,53.21 122.43,53.09 | 122.43,53.09 122.3,53.09 | 122.43,53.09 122.56,53.21
N$154
  Top 0.254: 126.87,51.18 126.87,53.34 129.41,54.23 129.41,51.94 | 126.87,51.18 126.87,50.93 126.75,50.93 126.62,51.05 | 129.41,51.94 129.41,51.69 129.03,51.69 | 126.75,51.18 arc-160 126.24,50.67 | 126.24,50.67 arc-160 126.75,51.18 | 126.36,50.8 arc160 126.49,50.93 arc160 126.36,50.8 | 126.62,51.05 arc-160 126.36,50.8 | 126.36,50.8 arc-160 126.62,51.05 | 129.29,51.94 arc-160 128.78,51.44 arc-160 129.29,51.94 | 128.91,51.56 arc160 129.16,51.82 arc160 128.91,51.56 | 129.03,51.69 arc-160 128.91,51.56 | 128.91,51.56 arc-160 129.03,51.69 | 126.87,51.18 arc-160 126.11,50.67 arc-160 126.87,51.18 | 129.41,51.94 arc-160 128.65,51.44 arc-160 129.41,51.94 | 126.24,50.67 126.62,51.05 | 126.87,51.18 126.75,51.18 | 126.75,51.18 126.62,51.05 | 129.03,51.69 128.91,51.56 | 129.41,51.94 129.29,51.94 | 129.29,51.94 129.03,51.69
N$155
  Top 0.254: 124.33,50.42 124.33,52.58 arc70 124.84,52.07 arc-70 125.09,51.31 | 124.33,50.42 124.33,50.16 123.95,50.16 | 124.21,50.42 arc-160 123.7,49.91 arc-160 124.21,50.42 | 123.83,50.04 arc160 124.08,50.29 arc160 123.83,50.04 | 123.95,50.16 arc-160 123.83,50.04 | 123.83,50.04 arc-160 123.95,50.16 | 124.33,50.42 arc-160 123.57,49.91 arc-160 124.33,50.42 | 124.33,50.42 124.21,50.42 | 124.21,50.42 123.95,50.16
N$156
  Top 0.254: 120.52,52.58 120.52,50.42 | 120.52,50.42 120.52,50.16 120.14,50.16 | 120.52,50.42 arc-160 119.76,49.91 arc-160 120.52,50.42 | 120.02,50.04 arc160 120.27,50.29 arc160 120.02,50.04 | 120.14,50.16 arc-160 120.02,50.04 | 120.02,50.04 arc-160 120.14,50.16 | 120.4,50.42 arc-160 119.89,49.91 arc-160 120.4,50.42 | 120.52,50.42 120.4,50.42 | 120.4,50.42 120.14,50.16
N$157
  Bottom 0.254: LED53.A 203.09,44.44 202.69,44.83 R142.1
N$158
  Bottom 0.254: R143.1 120.56,45.38 119.62,44.44 LED52.A
N$159
  Top 0.254: 131.95,54.1 131.95,51.94 | 131.95,51.94 arc-160 131.19,51.44 arc-160 131.95,51.94
N$160
  pour Top: 160.3,14.85 160.3,14.91 160.62,15.23 160.93,14.91 160.93,14.85
N$161
  pour Top: 161.71,14.77 161.71,15.27 162.19,15.27 162.34,15.12 162.34,14.78 162.19,14.63 161.71,14.63 161.71,14.77 161.7,14.77
N$162
  Top 0.254: 121.28,44.45 arc-190 122.3,45.09 arc-190 123.32,44.45 122.3,43.31 121.28,44.45
N$163
  Top 0.254: 124.08,44.45 arc-190 125.09,45.09 arc-190 126.11,44.45 125.09,43.31 124.08,44.45
N$164
  Top 0.254: 126.87,44.45 arc-190 127.89,45.09 arc-190 128.91,44.45 127.89,43.31 126.87,44.45
N$165
  Top 0.254: 129.67,44.45 arc-190 130.68,45.09 arc-190 131.7,44.45 130.68,43.31 129.67,44.45
N$166
  Bottom 0.254: U6.16 173.95,80.05 174.5,79.5 177.16,79.5 | 177.16,79.5 178.05,79.5 178.56,80.01 C43.1 | Y6.1 177.21,81.14 177.21,79.55 177.16,79.5
N$167
  Bottom 0.254: U6.17 173.99,79.25 174.87,78.37 Y6.3 174.87,76.21 175.22,75.86 C42.1
N$168
  Bottom 0.254: U6.6 C44.2
N$169
  Bottom 0.254: X6.D- 149.82,98.34 151,97.16 152.65,97.16 155.96,93.85 162.05,93.85 163.32,92.58 R148.2
N$170
  Bottom 0.254: X6.D+ 150.62,98.3 151.26,97.66 152.91,97.66 156.21,94.36 163.07,94.36 164.59,92.84 R147.2
N$171  (via drill 0.51)
  Top 0.254: v147.7,75.06 152.02,79.38 152.02,81.41 157.35,86.74 157.35,91.95 | v159.51,91.95 157.35,91.95 | v150.88,104.39 150.88,94.49 153.42,91.95 157.35,91.95